# KiCad board Ethernet controller W5500 board_panel.kicad_pcb (continued)
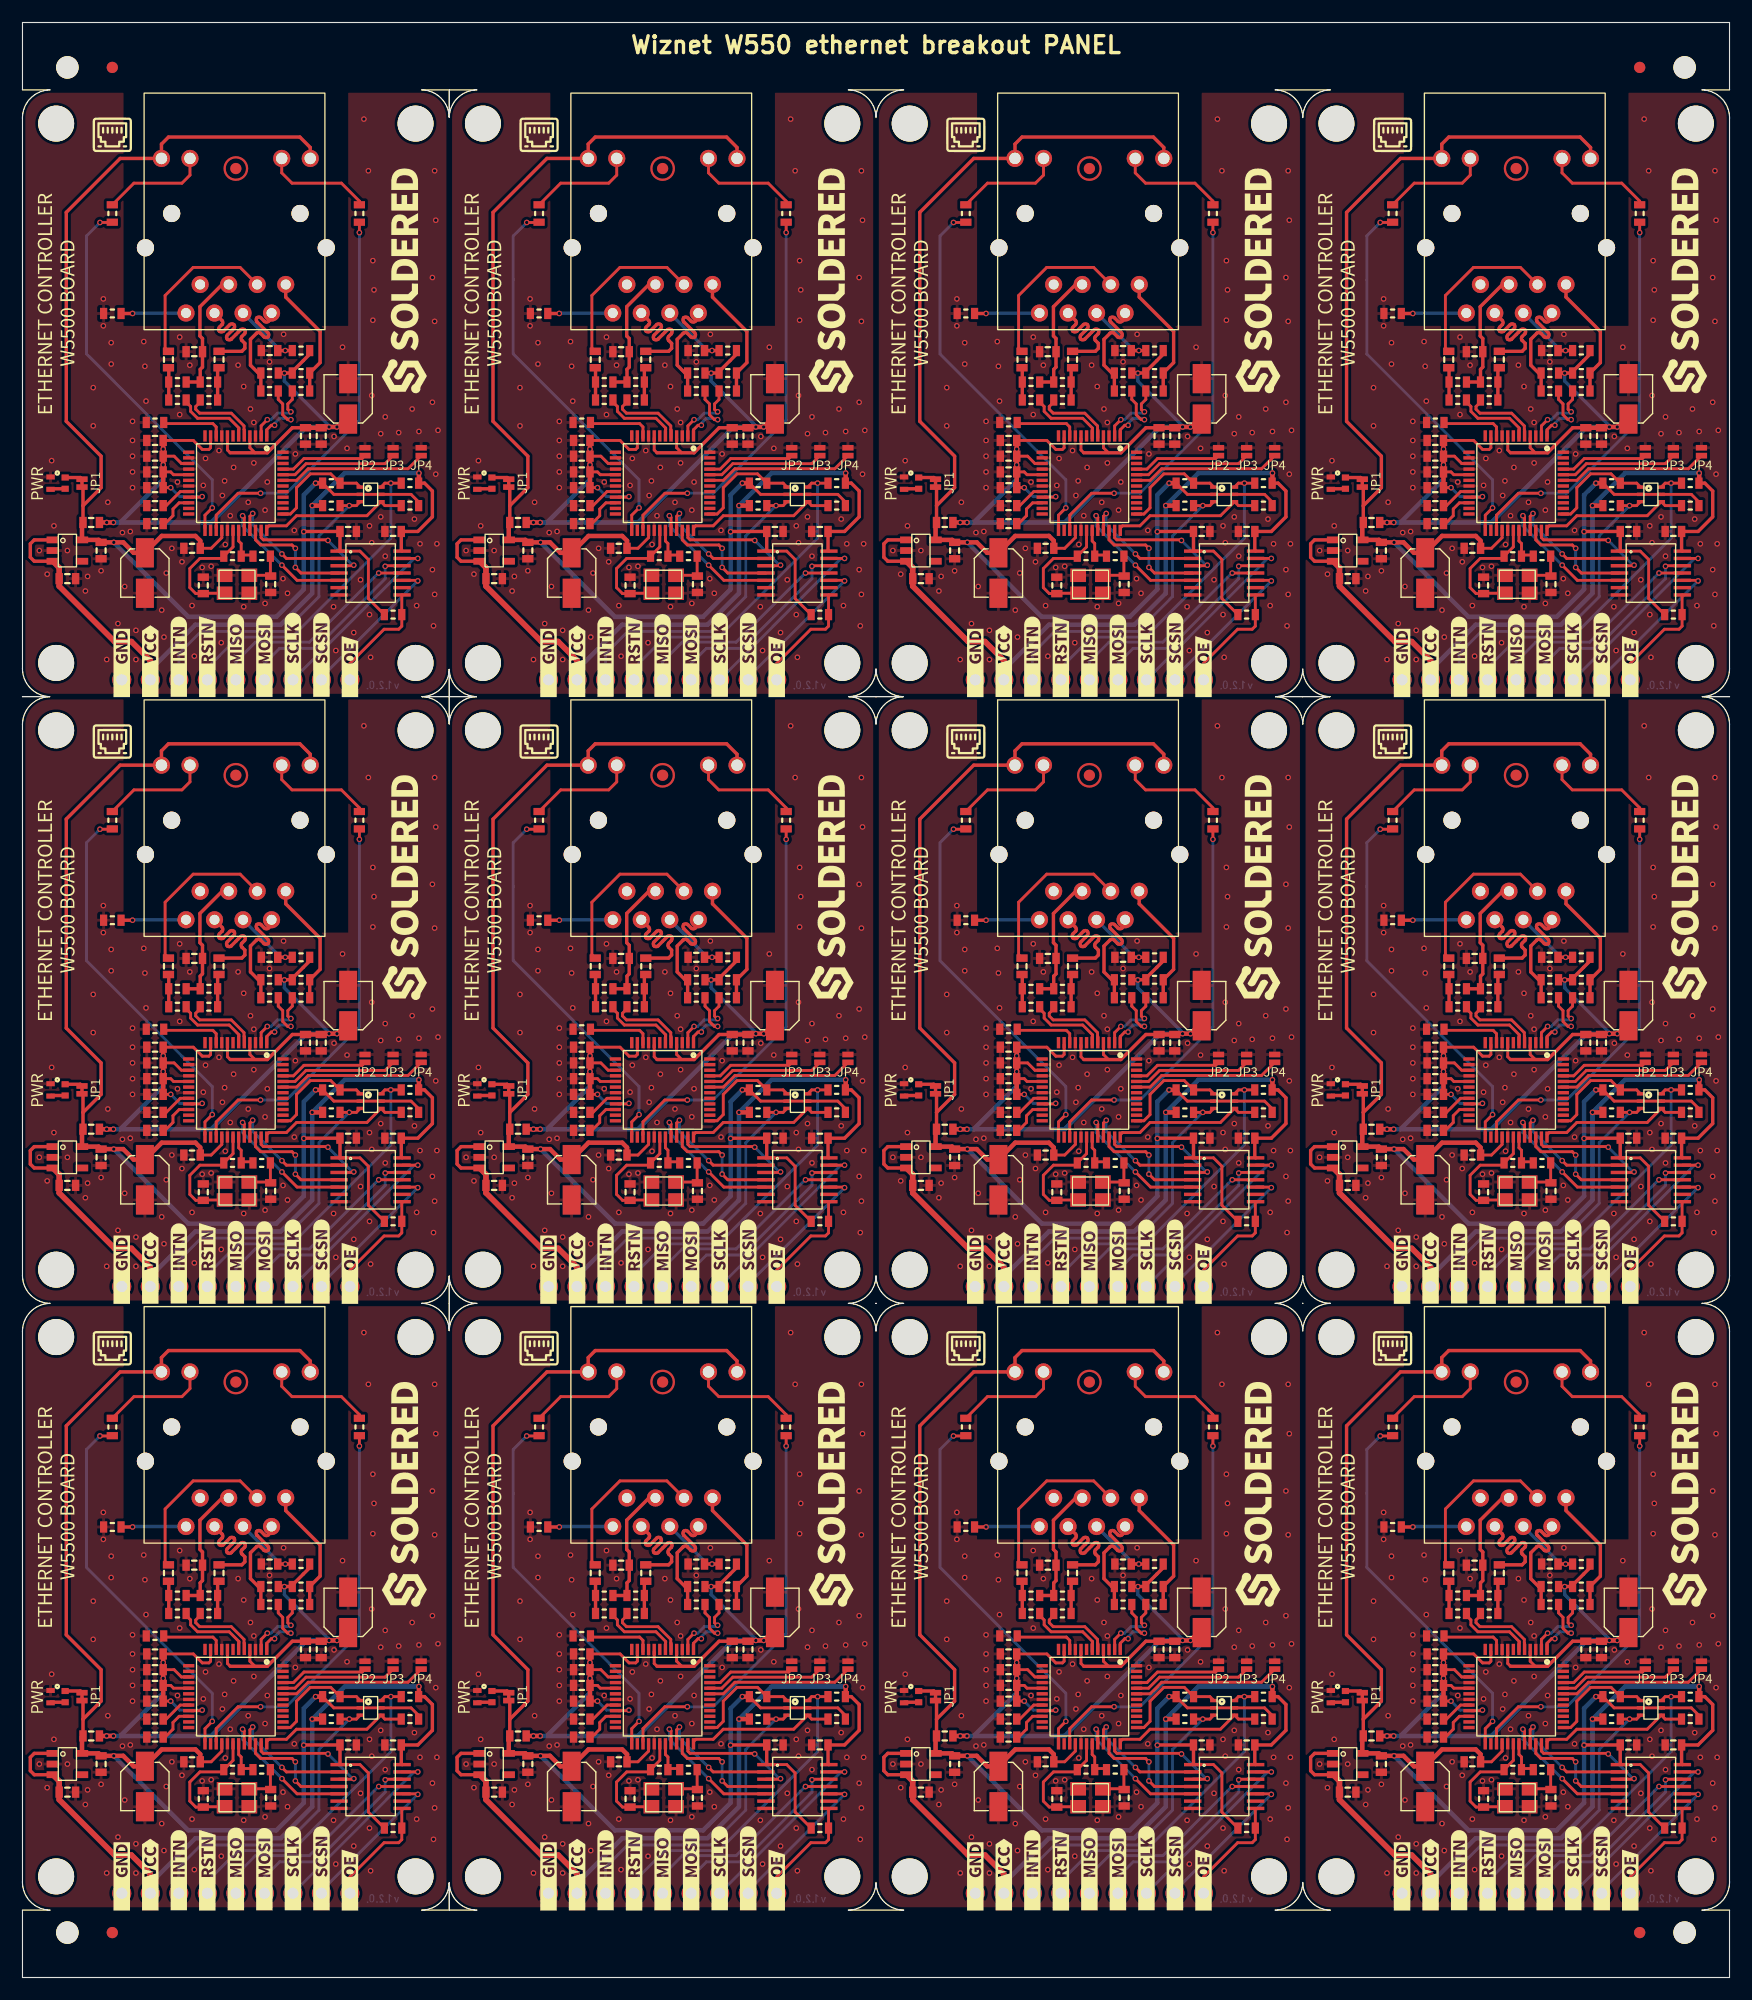
[diagram p0: board, top side]
## Copper pours and planes (outline as drawn; the poured copper is in the pictures) (continued)
Board_7-GND on Top, Bottom: 152,60 114,60 114,114 152,114
Board_8-GND on Top, Bottom: 38,6 0,6 0,60 38,60
Board_9-GND on Top, Bottom: 76,6 38,6 38,60 76,60
Board_10-GND on Top, Bottom: 114,6 76,6 76,60 114,60
Board_11-GND on Top, Bottom: 152,6 114,6 114,60 152,60

## Text on the board
F.Silkscreen: Wiznet W550 ethernet breakout PANEL
User.8: V-CUT
